# Altium PCB roach2.PcbDoc (part 27 of 39)
Units mil, origin at the board's own origin, x right, y up, seen from the top; angles counter-clockwise.
Board outline 12007.87 x 9606.3 mil, 16 copper layers (L1_TOP, L2_G, L3_S, L4_G, L5_S, L6_P, L7_G, L8_R, L9_R, L10_P, L11_P, L12_S, L13_P, L14_S, L15_G, L16_BOT), stack 81.651 mil thick; 1608 components, 1934 nets, 9335 pads, 6759 vias.
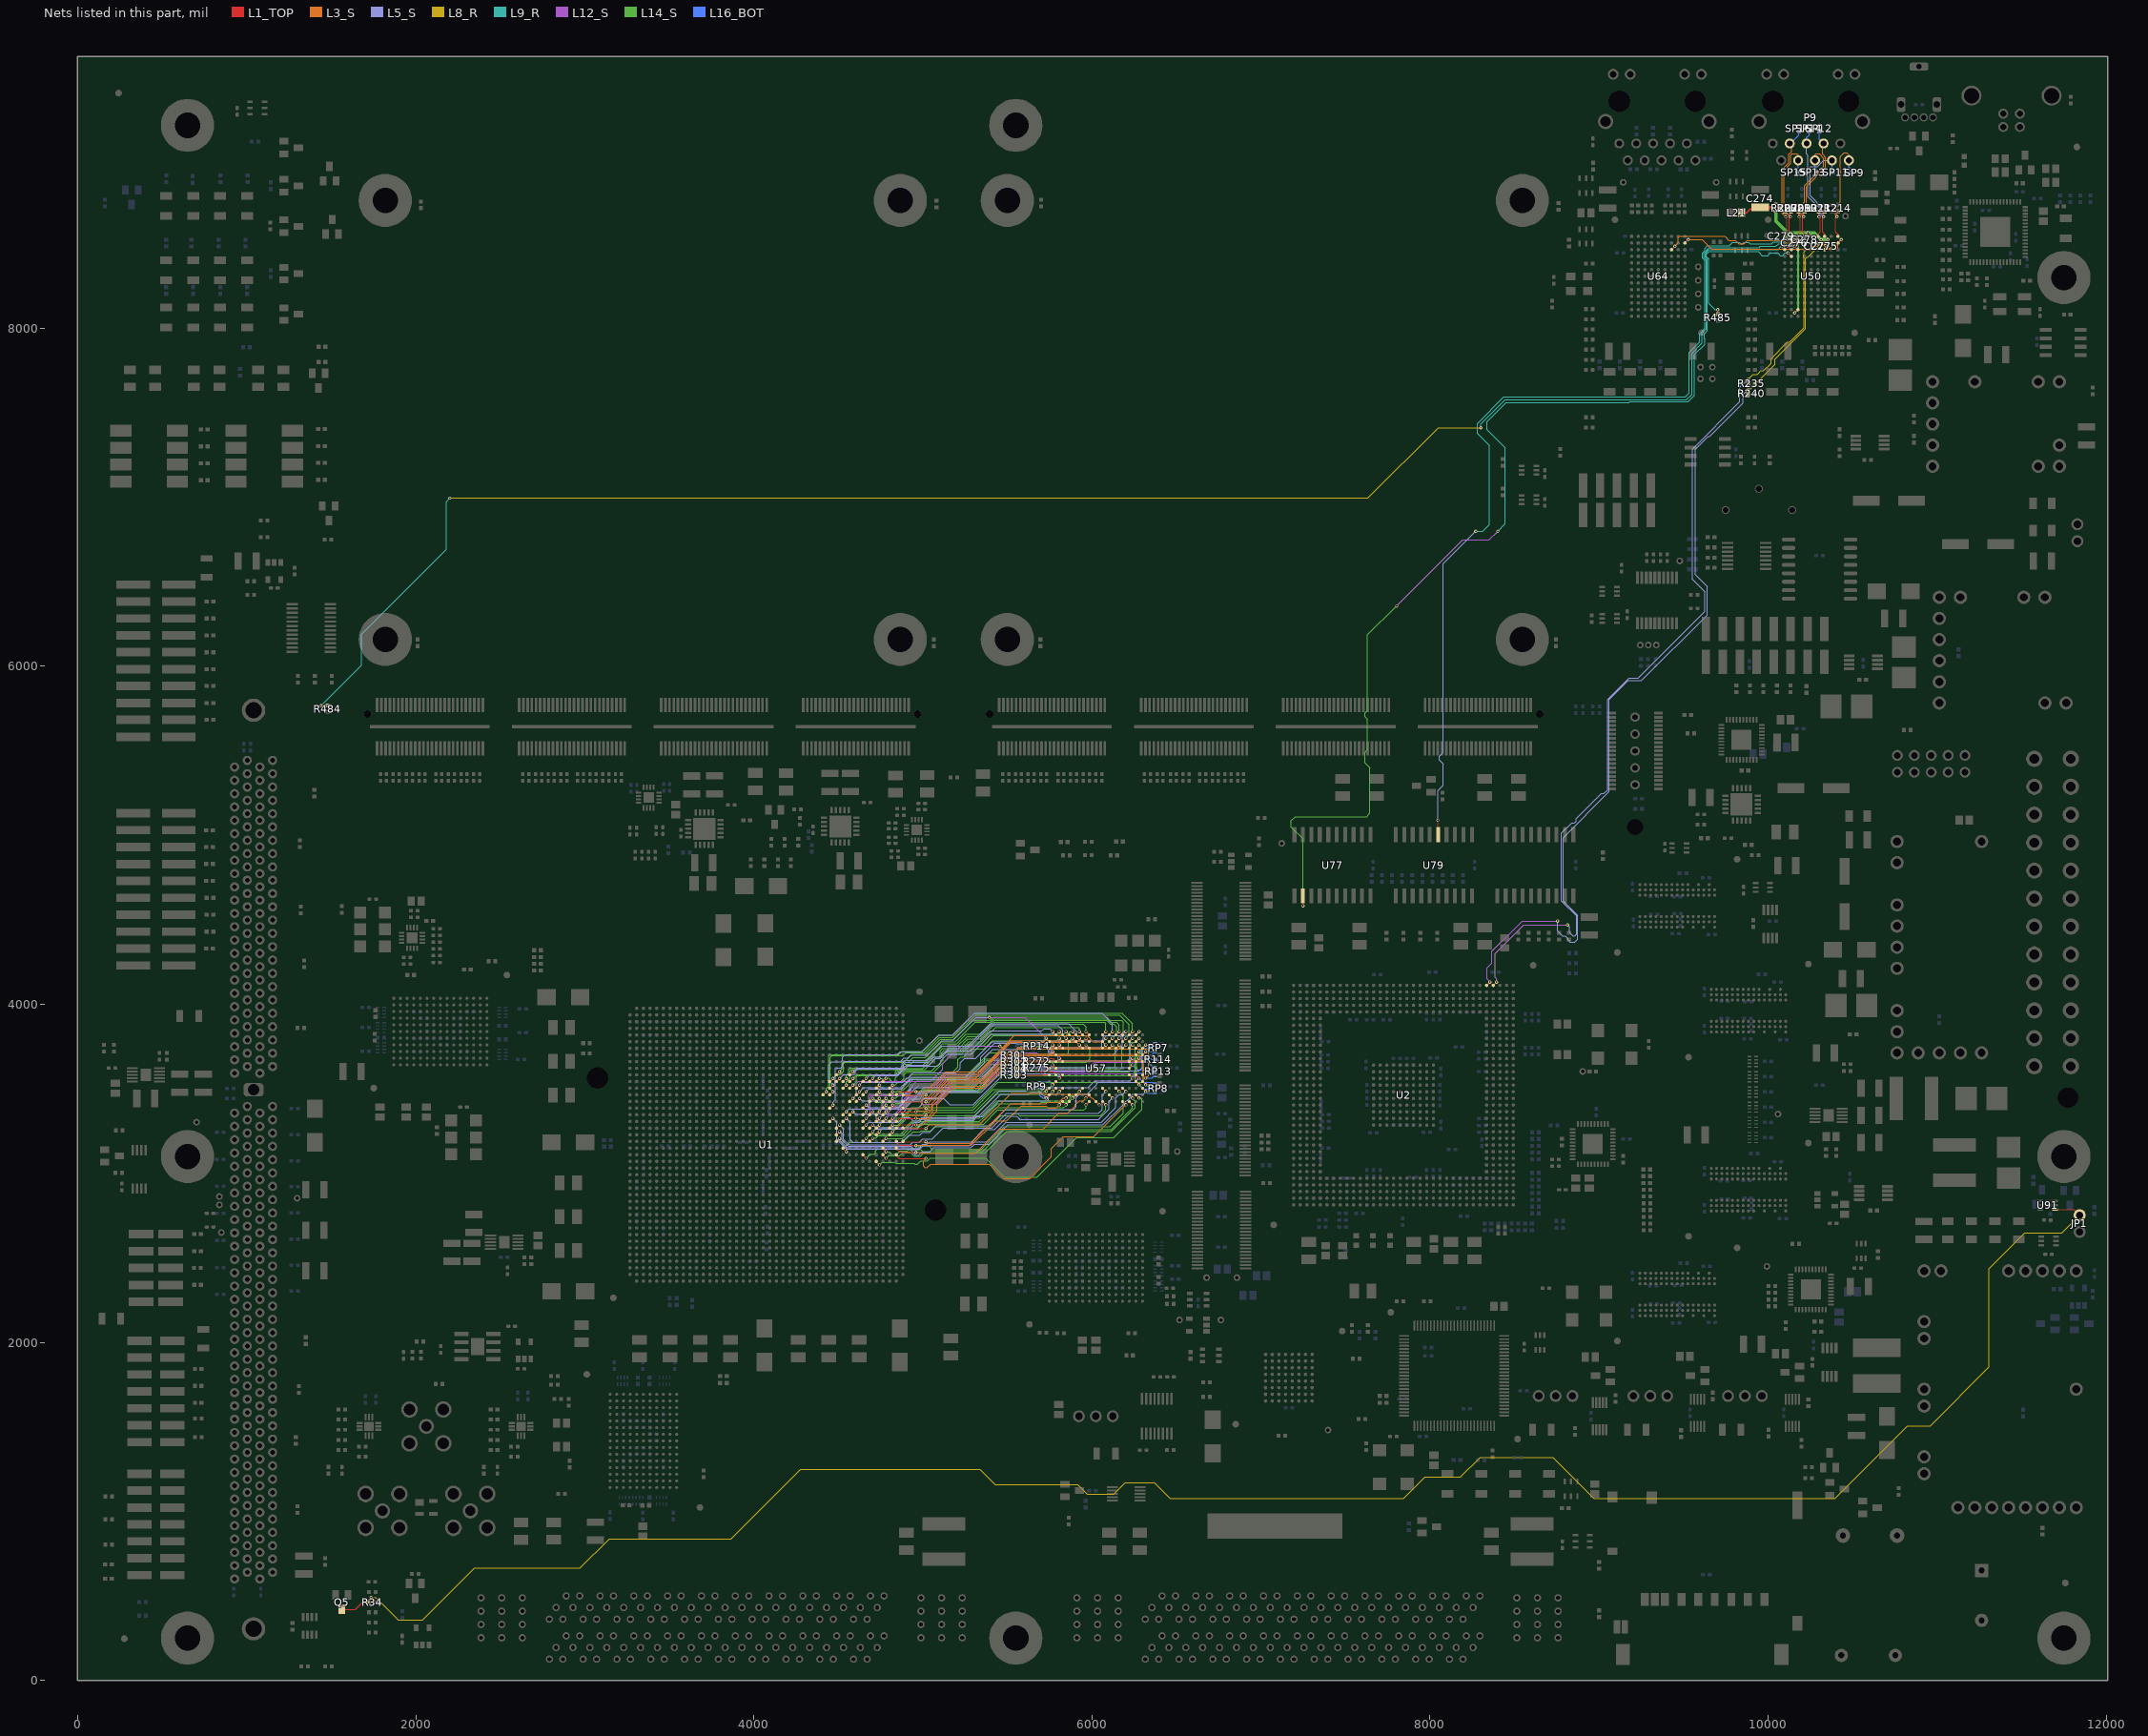
[diagram p41: the nets of this part, all layers, seen from the top]

## Via types
v1: diameter 19.4, hole 10, L1_TOP to L16_BOT, tented both sides, 3354 vias
v2: diameter 19.4, hole 10, L1_TOP to L16_BOT, 1884 vias
v3: diameter 19.4, hole 10, L1_TOP to L16_BOT, tented top, 410 vias
v4: diameter 18.6, hole 10, L1_TOP to L16_BOT, tented both sides, 311 vias
v5: diameter 59.06, hole 39.37, L1_TOP to L16_BOT, 217 vias
v6: diameter 19, hole 10, L1_TOP to L16_BOT, 198 vias
v7: diameter 19.4, hole 10.04, L1_TOP to L16_BOT, 125 vias
v8: diameter 19.4, hole 10, L1_TOP to L16_BOT, tented bottom, 80 vias
v9: diameter 25.98, hole 12.99, L1_TOP to L16_BOT, tented top, 59 vias
v10: diameter 20, hole 10, L1_TOP to L16_BOT, 52 vias
v11: diameter 59.06, hole 39.37, L1_TOP to L16_BOT, tented top, 44 vias
v12: diameter 20, hole 10, L1_TOP to L16_BOT, tented top, 16 vias
v13: diameter 19, hole 10, L1_TOP to L16_BOT, tented top, 5 vias
v14: diameter 50, hole 28, L1_TOP to L16_BOT, 4 vias

## Nets (pads, with @x,y where several pads share a name; then routed paths per layer and width w, separated by ;. In a path a pad name is that pad's centre, name@x,y a point inside that pad or via, vN(x,y) a via of type N, cw(c..) or ccw(c..) an arc to the next point about the centre after c; other vN are vias at no path point) (continued)
PPCMDI_0_P: P9.1 R214.2 SP9.2 U50.N1 | length 704.3
  L1_TOP w5: R214.2@10412.5,8687.31 10407.4,8682.2 v2(10407.4,8658.99) 10400.2,8651.79 10400.2,8570.18 10413.39,8556.99 U50.N1@10413.39,8543.31
  L3_S w3.8: v2(10407.4,8658.99) 10407.4,8659.31 10398.79,8667.92 10398.79,8706.79 10426.99,8734.99 10426.99,9014.99 10450.99,9038.99 10464.99,9038.99 10477.8,9026.19 P9.1@10477.8,8992.99
  L16_BOT w5: P9.1@10477.8,8992.99 10477.8,8954.19 10492.99,8938.99 SP9.2@10492.99,8919.99
PPCMDI_1_N: P9.6 R211.2 SP14.2 U50.N4 | length 707.6
  L1_TOP w5: U50.N4@10295.28,8543.31 10295.28,8556.99 10308.46,8570.18 10308.46,8612.99 ; R211.2@10297.99,8690.31 10297.76,8687.31 10301.26,8683.81 v2(10301.26,8658.99) 10308.46,8651.79 10308.46,8612.99 ; 10308.46,8615.79 10308.46,8612.99
  L5_S w3.8: P9.6@10227.8,9092.99 10226.99,9092.19 10226.99,9030.99 10236.5,9021.48 10236.5,8779.55 10309.06,8706.99 10309.06,8666.79 v2(10301.26,8658.99)
  L16_BOT w5: P9.6@10227.8,9092.99 10227.8,9127.8 10242.99,9142.99 SP14.2@10242.99,9162.99
PPCMDI_1_P: P9.3 R212.2 SP11.2 U50.N3 | length 702.7
  L1_TOP w5: R212.2@10333.99,8690.31 10333.76,8687.31 10328.66,8682.2 v2(10328.66,8658.99) 10321.46,8651.79 10321.46,8570.18 10334.65,8556.99 U50.N3@10334.65,8543.31
  L5_S w3.8: v2(10328.66,8658.99) 10320.86,8666.79 10320.86,8711.88 10248.3,8784.44 10248.3,8952.3 10253.56,8957.56 10292.47,8957.56 10327.9,8992.99 P9.3@10377.8,8992.99
  L16_BOT w5: P9.3@10377.8,8992.99 10377.8,8946.19 10382.99,8940.99 SP11.2@10382.99,8922.99
PPCMDI_2_N: P9.5 R209.2 SP13.2 U50.N7 | length 735.2
  L1_TOP w5: U50.N7@10177.17,8543.31 10177.17,8556.99 10190.35,8570.18 10190.35,8612.99 ; R209.2@10179.99,8690.31 10179.65,8687.31 10183.15,8683.81 v2(10183.15,8658.99) 10190.35,8651.79 10190.35,8612.99 ; 10190.35,8615.79 10190.35,8612.99
  L3_S w3.8: v2(10183.15,8658.99) 10189.19,8665.03 10189.19,8721.88 10215.19,8747.88 10215.19,8843.19 10328.99,8956.99 10328.99,9004.99 10302.99,9030.99 10282.99,9030.99 10277.8,9025.8 P9.5@10277.8,8992.99
  L16_BOT w5: P9.5@10277.8,8992.99 10277.8,8954.19 10282.99,8948.99 SP13.2@10282.99,8922.99
PPCMDI_2_P: P9.4 R210.2 SP12.2 U50.N6 | length 743.2
  L1_TOP w5: R210.2@10215.99,8690.31 10215.65,8687.31 10210.55,8682.2 v2(10210.55,8658.99) 10203.35,8651.79 10203.35,8570.18 10216.54,8556.99 U50.N6@10216.54,8543.31
  L3_S w3.8: v2(10210.55,8658.99) 10210.55,8659.31 10200.99,8668.87 10200.99,8716.99 10226.99,8742.99 10226.99,8838.3 10340.99,8952.3 10340.99,9010.99 10322.99,9028.99 10322.99,9088.19 P9.4@10327.8,9092.99
  L16_BOT w5: SP12.2@10302.99,9162.99 10302.99,9117.8 P9.4@10327.8,9092.99
PPCMDI_3_N: P9.8 R207.2 SP16.2 U50.N9 | length 732.5
  L1_TOP w5: U50.N9@10098.43,8543.31 10098.43,8556.99 10111.61,8570.18 10111.61,8612.99 ; R207.2@10099.99,8690.31 10100.91,8687.31 10104.41,8683.81 v2(10104.41,8658.99) 10111.61,8651.79 10111.61,8612.99 ; 10111.61,8615.79 10111.61,8612.99
  L3_S w3.8: v2(10104.41,8658.99) 10082.99,8680.41 10082.99,8939.68 10122.99,8979.68 10122.99,9029.68 10138.1,9044.79 10138.1,9082.68 P9.8@10127.8,9092.99 P9.8@10122.99,9088.19
  L16_BOT w5: P9.8@10127.8,9092.99 10132.99,9092.99 10182.99,9142.99 SP16.2@10182.99,9162.99
PPCMDI_3_P: P9.7 R208.2 SP15.2 U50.N8 | length 710
  L1_TOP w5: R208.2@10135.99,8690.31 10136.91,8687.31 10131.81,8682.2 v2(10131.81,8658.99) 10124.61,8651.79 10124.61,8570.18 10137.8,8556.99 U50.N8@10137.8,8543.31
  L3_S w3.8: v2(10131.81,8658.99) 10131.81,8659.31 10112.53,8678.59 10112.21,8678.59 10094.79,8696.01 10094.79,8934.79 10134.79,8974.79 10134.79,9024.79 10142.99,9032.99 10170.99,9032.99 10177.8,9026.19 P9.7@10177.8,8992.99
  L16_BOT w5: SP15.2@10172.99,8922.99 10172.99,8944.99 10177.8,8949.8 P9.7@10177.8,8992.99
PPCNET_AVDD: C274.2 C275.2 C276.2 C277.2 C278.2 C279.2 L21.2 U50.B7 U50.M3 U50.M4 U50.M7 U50.M8 U50.N5 | length 1472.8
  L1_TOP w5: v1(10118.11,8523.62) U50.M8@10137.8,8503.94 ; v1(10157.48,8090.55) U50.B7@10177.17,8110.24 ; v1(10157.48,8523.62) U50.M7@10177.17,8503.94 ; v1(10236.22,8562.99) U50.N5@10255.91,8543.31 ; U50.M4@10295.28,8503.94 v1(10314.96,8523.62) ; U50.M3@10334.65,8503.94 v1(10354.33,8523.62)
  L1_TOP w10: L21.2@9842.52,8682.99 9872.99,8682.99 9894.84,8704.84 C274.2@9952.99,8704.84
  L1_TOP w20: C274.2@9952.99,8714.84 10046.14,8714.84 v5(10046.99,8713.99)
  L14_S w10: v1(10157.48,8090.55) 10176.99,8110.06 10176.99,8504.11 v1(10157.48,8523.62)
  L14_S w20: v5(10046.99,8713.99) 10046.99,8632.99 10118.11,8561.87 v1(10118.11,8523.62) v1(10157.48,8523.62) ; 10120.08,8562.99 v1(10236.22,8562.99) 10275.59,8562.99 v1(10314.96,8523.62) v1(10354.33,8523.62)
  L16_BOT w10: C279.2@10098.43,8544.29 10098.43,8542.56 v1@10117.74,8523.25 ; C276.2@10137.8,8503.94 v1@10156.85,8522.99 ; C278.2@10216.54,8543.31 v1@10232.99,8559.76 ; C277.2@10295.28,8503.94 v1@10314.33,8522.99 ; C275.2@10334.65,8503.94 10334.65,8504.65 v1@10352.99,8522.99
PPCNET_MDC: R235.2 U2.AL34 U50.L3 U64.L3 | length 6870.1
  L1_TOP w5: U2.AL34@8374.49,4112.6 v1(8394.17,4132.28) ; U64.L3@9429.13,8464.57 v1(9448.82,8484.25) ; R235.2@9883.31,7672.99 v2(9883.31,7699.57) ; U50.L3@10334.65,8464.57 v1(10354.33,8484.25)
  L3_S w3.94: v1(9448.82,8484.25) 9468.5,8503.94 9468.5,8535.43 9476.38,8543.31 9744.09,8543.31 9767.72,8519.68 9807.09,8519.68 9827.57,8499.2 9857.33,8499.2 9877.06,8518.93 10091.31,8518.93 10106.3,8503.94 10240.16,8503.94 10259.84,8484.25 10292.8,8484.25 10308.47,8499.92 10321.45,8499.92 10337.12,8484.25 v1(10354.33,8484.25)
  L5_S w3.8: v3(8812.99,4468.99) 8824.99,4456.99 8824.99,4424.99 8844.99,4404.99 8855.05,4404.99 8866.59,4416.53 8866.59,4522.05 8778.39,4610.25 8778.39,5012.39 8838.82,5072.82 8854.45,5072.82 8863.59,5081.96 8863.59,5097.59 9012.99,5246.99 9029.38,5246.99 9049.92,5267.53 9049.92,5802.95 9177.96,5930.99 9230.99,5930.99 9624.99,6324.99 9624.99,6440.99 9553.15,6512.83 9553.15,7285.15 9832.99,7564.99 9832.99,7649.26 v2(9883.31,7699.57)
  L8_R w3.8: v2(9883.31,7699.57) 9910.72,7726.99 9936.99,7726.99 9948.34,7738.34 9948.34,7738.75 9957.47,7747.88 9973.88,7747.88 10016.99,7790.99 10016.99,7820.99 10113.56,7917.56 10127.67,7917.56 10212.45,8002.35 10212.45,8413.53 10208.99,8416.99 10208.99,8431.5 10212.45,8434.96 10212.45,8450.45 10224.99,8462.99 10248.99,8462.99 10293.65,8507.65 10330.93,8507.65 v1(10354.33,8484.25)
  L12_S w3.8: v1(8394.17,4132.28) 8394.17,4149.81 8384.99,4158.99 8384.99,4298.99 8554.99,4468.99 v3(8812.99,4468.99)
PPCNET_MDIO: R240.2 U2.AK34 U50.M1 U64.M1 | length 7025.4
  L1_TOP w5: U2.AK34@8335.12,4112.6 v1(8354.8,4132.28) ; U64.M1@9507.87,8503.94 v1(9527.56,8523.62) ; R240.2@9883.31,7612.99 v2(9883.31,7639.57) ; U50.M1@10413.39,8503.94 v1(10433.07,8523.62)
  L3_S w5: v1(9527.56,8523.62) 9610.24,8523.62 9665.35,8468.5 10071.58,8468.5 10072.03,8468.05 10405.06,8468.05 10413.39,8476.38 10413.39,8503.94 v1(10433.07,8523.62)
  L5_S w3.8: v3(8754.99,4492.99) 8754.99,4432.99 8782.99,4404.99 8800.99,4404.99 8814.99,4390.99 8814.99,4381.05 8828.02,4368.02 8857.45,4368.02 8874.39,4384.96 8874.39,4525.28 8788.39,4611.28 8788.39,4986.39 9060.39,5258.39 9060.39,5802.39 9172.99,5914.99 9250.99,5914.99 9638.99,6302.99 9638.99,6470.99 9568.9,6541.09 9568.9,7282.9 9644.99,7358.99 9654.99,7358.99 9852.99,7556.99 9852.99,7609.26 v2(9883.31,7639.57)
  L8_R w3.8: v2(9883.31,7639.57) 9893.29,7639.57 10040.81,7787.1 10040.81,7818.28 10220.62,7998.09 10220.62,8411.97 10229.76,8421.11 10234.51,8421.11 10299.36,8485.96 10299.36,8490.71 10308.5,8499.85 10321.42,8499.85 10338.73,8482.54 10338.73,8477.79 10347.87,8468.65 10360.79,8468.65 10378.1,8485.96 10378.1,8490.71 10387.24,8499.85 10409.3,8499.85 v1(10433.07,8523.62)
  L12_S w3.8: v1(8354.8,4132.28) 8336.99,4150.1 8336.99,4214.99 8366.99,4244.99 8366.99,4314.99 8544.99,4492.99 v3(8754.99,4492.99)
PPCNET_TCK: U50.L9 U77.12 | length 6565.4
  L1_TOP w5: v2(7247.99,4583.31) U77.12@7247.99,4641.89 ; v1(10078.74,8484.25) U50.L9@10098.43,8464.57
  L9_R w3.8: v2(8400.99,6798.99) 8444.99,6842.99 8444.99,7290.99 8336.99,7398.99 8336.99,7448.3 8450.08,7561.39 9177.33,7561.39 9180.53,7564.59 9527.28,7564.59 9564.99,7602.3 9564.99,7844.3 9626.02,7905.33 9626.02,7935.86 9623.56,7938.32 9623.56,7967.67 9641.59,7985.69 9641.59,8408.03 9628.33,8421.3 9628.33,8440.68 9641.59,8453.95 9641.59,8456.59 9649.99,8464.99 10059.48,8464.99 v1(10078.74,8484.25)
  L12_S w3.8: v2(7802.99,6356.99) 8193.69,6747.69 8349.69,6747.69 v2(8400.99,6798.99)
  L14_S w3.8: v2(7247.99,4583.31) 7247.99,4979.99 7178.99,5048.99 7178.99,5086.99 7202.99,5110.99 7627.05,5110.99 7636.59,5120.53 7636.59,5124.59 7642.99,5130.99 7642.99,5400.99 7614.99,5428.99 7614.99,5490.99 7630.99,5506.99 7630.99,5685.93 7615.68,5701.24 7615.68,5723.3 7630.99,5738.62 7630.99,6186.99 7800.99,6356.99 v2(7802.99,6356.99)
PPCNET_TDI: R484.2 U50.L7 | length 10695.8
  L1_TOP w5: v2(1439.3,5767.08) 1439.9,5767.68 R484.2@1477.99,5767.68 ; v1(10157.48,8484.25) U50.L7@10177.17,8464.57
  L8_R w3.8: v2(2200.99,6994.99) 7632.99,6994.99 8048.99,7410.99 v2(8300.99,7410.99)
  L9_R w3.8: v2(1439.3,5767.08) 1680,6007.78 1680,6190 2180.99,6690.99 2180.99,6946.99 ; 2180.99,6948.99 2180.99,6946.99 ; v2(2200.99,6994.99) 2180.99,6974.99 2180.99,6946.99 ; v2(8300.99,7410.99) 8300.99,7434.65 8443.54,7577.19 9517.54,7577.19 9549.19,7608.85 9549.19,7850.85 9610.22,7911.88 9610.22,7972.44 9633.79,7996.01 9633.79,8404.8 9620.53,8418.07 9620.53,8443.92 9633.79,8457.18 9633.79,8459.82 9650.96,8476.99 9797.65,8476.99 9799.13,8475.52 9812.05,8475.52 9813.53,8476.99 9872.46,8476.99 9873.93,8475.52 9886.86,8475.52 9888.33,8476.99 9946.99,8476.99 9954.25,8484.25 10047.54,8484.25 10063.14,8499.85 10088.15,8499.85 10098,8490 10098,8477 10107,8468 10141.23,8468 v1(10157.48,8484.25)
PPCNET_TDO: R485.1 U50.K8 | length 938.4
  L1_TOP w5: R485.1@9702.99,8082.68 v2(9702.99,8109.26) ; v1(10118.11,8444.88) U50.K8@10137.8,8425.2
  L9_R w3.8: v2(9702.99,8109.26) 9686.72,8109.26 9649.39,8146.59 9649.39,8411.26 9636.13,8424.53 9636.13,8437.45 9649.39,8450.72 9649.39,8452.39 9649.99,8452.99 9940.99,8452.99 9964.7,8429.28 9997.28,8429.28 10012.88,8444.88 10056.68,8444.88 10072.28,8429.28 10085.2,8429.28 10100.8,8444.88 v1(10118.11,8444.88)
PPCNET_TMS: U50.L8 U79.5 | length 5423.4
  L1_TOP w5: U79.5@8047.99,5004.09 v2(8047.99,5088.42) ; v1(10118.11,8484.25) U50.L8@10137.8,8464.57
  L5_S w3.8: v2(8047.99,5088.42) 8047.99,5263.99 8078.99,5294.99 8078.99,5422.93 8055.68,5446.24 8055.68,5468.3 8078.99,5491.62 8078.99,6606.99 v2(8270.99,6798.99)
  L9_R w3.8: v2(8270.99,6798.99) 8312.99,6798.99 8350.99,6836.99 8350.99,7306.99 8280.99,7376.99 8280.99,7436.99 8436.99,7592.99 9510.99,7592.99 9533.39,7615.39 9533.39,7857.39 9594.42,7918.42 9594.42,7967.67 9625.99,7999.24 9625.99,8401.57 9612.73,8414.84 9612.73,8447.15 9625.99,8460.41 9625.99,8471.99 9640.99,8486.99 9768.99,8486.99 9788.72,8506.72 9829.08,8506.72 9836.53,8499.27 9849.45,8499.27 9856.91,8506.72 9886.86,8506.72 9893.72,8499.85 10019.85,8499.85 10032,8512 10090.36,8512 v1(10118.11,8484.25)
PS_ENABLEN: JP1.1 Q5.3 R34.1 U91.1 | length 12265.7
  L1_TOP w5: Q5.3@1562.99,419.68 1641.68,419.68 1684.99,462.99 R34.1@1723.31,462.99 1723.31,477.31 v2(1736.99,490.99) ; U91.1@11697.31,2786 11809.98,2786 JP1.1@11842.99,2752.99
  L8_R w3.8: v2(1736.99,490.99) 1762.99,490.99 1896.99,356.99 2040.99,356.99 2349,665 2971,665 3144.59,838.59 3381.8,838.59 3382.53,837.86 3865.86,837.86 4276.59,1248.59 5336.71,1248.59 5426.31,1158.99 5916.31,1158.99 5972.31,1102.99 6128.99,1102.99 6196.99,1170.99 6368.99,1170.99 6462.99,1076.99 7844.99,1076.99 7970.99,1202.99 8180.99,1202.99 8296.89,1318.89 8727.09,1318.89 8968.99,1076.99 10394.99,1076.99 10824.99,1506.99 10958.99,1506.99 11306.99,1854.99 11306.99,2436.99 11518,2648 11738,2648 JP1.1@11842.99,2752.99
QDR0.A0: RP9.1 U1.E19 U57.B4 | length 1272.3
  L1_TOP w5: U1.E19@4723.51,3266.18 4724.73,3267.4 v1(4743.2,3285.87) ; v1(5767.72,3523.62) U57.B4@5787.4,3543.31
  L14_S w3.8: v1(4743.2,3285.87) 4766.97,3309.64 4866,3309.64 4937.31,3380.95 4965.45,3380.95 4977.71,3368.69 5025.25,3368.69 5033.05,3376.49 5297.75,3376.49 5417.32,3496.06 5718.1,3496.06 5721.88,3499.85 5722.63,3500.6 5736.46,3500.6 5737.21,3499.85 5743.95,3499.85 v1(5767.72,3523.62)
  L16_BOT w5: RP9.1@5692.68,3542.52 5748.82,3542.52 v1(5767.72,3523.62)
QDR0.A1: RP14.3 U1.J15 U57.B8 | length 1544.3
  L1_TOP w5: U1.J15@4566.03,3423.66 4567.25,3424.88 v1(4585.72,3443.35) ; v1(5768.03,3720.47) U57.B8@5787.72,3700.79
  L8_R w3.8: v2(5456,3752) 5514,3694 5741.56,3694 v1(5768.03,3720.47)
  L12_S w3.8: v1(4585.72,3443.35) 4608,3465.63 4608,3531.86 4622,3545.86 5047.86,3545.86 5116,3614 5116,3648 5220,3752 v2(5456,3752)
  L16_BOT w5: RP14.3@5692.68,3743.15 5745.35,3743.15 v1(5768.03,3720.47)
QDR0.A2: R275.1 U1.J17 U57.C5 | length 1587.6
  L1_TOP w5: U1.J17@4566.03,3344.92 4567.25,3346.14 v1(4585.72,3364.61) ; v1(5807.09,3562.99) U57.C5@5826.77,3582.68
  L5_S w3.8: v1(4585.72,3364.61) 4601.32,3349.01 4870.15,3349.01 4906.13,3384.99 4969.49,3384.99 4992.06,3407.56 4992.06,3429.56 5004.99,3442.49 5123.39,3442.49 5158.32,3407.56 5297.33,3407.56 5480.31,3590.55 5799.21,3590.55 5807.09,3582.68 v1(5807.09,3562.99)
  L16_BOT w5: R275.1@5692.68,3622.99 5725.12,3590.55 5779.53,3590.55 v1(5807.09,3562.99)
QDR0.A3: R272.1 U1.G18 U57.C7 | length 1588.8
  L1_TOP w5: U1.G18@4644.77,3305.55 v1(4664.46,3325.24) ; v1(5807.09,3681.1) U57.C7@5826.77,3661.42
  L12_S w3.8: v1(4664.46,3325.24) 4688.23,3349.01 4688.23,3449.81 4696.73,3458.31 4696.73,3458.95 4895.68,3458.95 4930.97,3494.24 4930.97,3505.78 4944.88,3519.68 5066.93,3519.68 5133.86,3586.61 5350.39,3586.61 5497.78,3734 5552.06,3734 5562.16,3744.09 5726.79,3744.09 5752.12,3718.77 5752.12,3714.01 5765.34,3700.79 5787.4,3700.79 v1(5807.09,3681.1)
  L16_BOT w5: R272.1@5692.68,3662.99 5788.97,3662.99 v1(5807.09,3681.1)
QDR0.A4: RP13.2 U1.G19 U57.N5 | length 1911.2
  L1_TOP w5: U1.G19@4644.77,3266.18 4645.99,3267.4 v1(4664.46,3285.87) ; U57.N5@6220.47,3582.68 v1(6240.16,3562.99)
  L5_S w3.8: v1(4664.46,3285.87) 4680.43,3301.84 4856.07,3301.84 4883.22,3328.99 4923.49,3328.99 4942.11,3310.38 4974.59,3310.38 4993.54,3329.32 5293.89,3329.32 5452.76,3488.19 5614.17,3488.19 5633.86,3507.87 5811,3507.87 ; 5814.96,3507.87 5811,3507.87 ; v1(6240.16,3562.99) 6224.41,3547.24 6015.75,3547.24 5976.38,3507.87 5811,3507.87
  L16_BOT w5: v1(6240.16,3562.99) 6270.32,3593.15 RP13.2@6373.31,3593.15
QDR0.A5: RP13.3 U1.G16 U57.N6 | length 1888.2
  L1_TOP w5: U1.G16@4644.77,3384.29 4645.99,3385.51 v1(4664.46,3403.98) ; U57.N6@6220.47,3622.05 v1(6240.16,3641.73)
  L5_S w3.8: v1(4664.46,3403.98) 4680.06,3388.38 4856.38,3388.38 4919.99,3451.99 4951.07,3451.99 4987.04,3487.97 5039.15,3487.97 ; 5039.37,3488.19 5039.15,3487.97 ; v1(6240.16,3641.73) 6224.41,3625.98 5456.69,3625.98 5318.67,3487.97 5039.15,3487.97
  L16_BOT w5: v1(6240.16,3641.73) 6269.06,3612.83 RP13.3@6373.31,3612.83
QDR0.A6: RP13.4 U1.E18 U57.N7 | length 1870.1
  L1_TOP w5: U1.E18@4723.51,3305.55 4724.73,3306.77 v1(4743.2,3325.24) ; U57.N7@6220.47,3661.42 v1(6240.16,3681.1)
  L12_S w3.8: v1(4743.2,3325.24) 4766.97,3349.01 4789.03,3349.01 4798.17,3358.14 4798.17,3362.9 4815.85,3380.58 4831.63,3380.58 4840.97,3389.91 4859.73,3389.91 4918.64,3448.82 4922.32,3452.49 4999.99,3452.49 5005.05,3447.43 5069.48,3447.43 5157.48,3535.43 5358.27,3535.43 5448.82,3625.98 5696.85,3625.98 5708.66,3614.17 5972.44,3614.17 6023.62,3665.35 6224.41,3665.35 v1(6240.16,3681.1)
  L16_BOT w5: v1(6240.16,3681.1) 6259.84,3661.42 6328.57,3661.42 6357.46,3632.52 RP13.4@6373.31,3632.52
QDR0.A7: RP8.2 U1.F17 U57.P4 | length 1964.9
  L1_TOP w5: U1.F17@4684.14,3344.92 4685.36,3346.14 v1(4703.83,3364.61) ; U57.P4@6259.84,3543.31 v1(6279.53,3523.62)
  L12_S w3.8: v1(4703.83,3364.61) 4723.99,3344.44 4723.99,3322.38 4736.74,3309.64 4828.4,3309.64 4837.54,3318.77 4837.54,3341.47 4846.61,3350.54 4925.2,3429.13 4978.85,3429.13 4999.92,3408.06 5073.41,3408.06 5074.8,3409.45 5169.29,3503.94 5358.27,3503.94 5444.88,3590.55 6240.16,3590.55 6259.84,3570.87 6259.84,3543.31 v1(6279.53,3523.62) ; v1@4704.73,3366.14 v1@4705.05,3365.82
  L16_BOT w5: v1(6279.53,3523.62) 6302.7,3500.45 6357.82,3500.45 6365.12,3493.15 RP8.2@6373.31,3493.15
QDR0.A8: RP8.4 U1.K18 U57.P5 | length 2207.4
  L1_TOP w5: U1.K18@4526.66,3305.55 4527.88,3306.77 v1(4546.35,3325.24) ; U57.P5@6259.84,3582.68 v1(6279.53,3562.99)
  L5_S w3.8: v1@4547.24,3326.77 4547.24,3325.24 4570.12,3302.36 4570.12,3200.66 4587.06,3183.73 4875.76,3183.73 4916.52,3224.49 4954.49,3224.49 4954.89,3224.89 4982.39,3224.89 4999.91,3242.41 5025.25,3242.41 5025.47,3242.19 5039.72,3242.19 5080.05,3282.52 5392.76,3282.52 5488.19,3377.95 5889.76,3377.95 5905.51,3393.7 5905.51,3448.82 5925.2,3468.5 5972.44,3468.5 6027.71,3523.77 6027.71,3530.08 6037,3539.37 6255.91,3539.37 v1(6279.53,3562.99)
  L16_BOT w5: v1(6279.53,3562.99) 6302.7,3539.82 6357.82,3539.82 6365.12,3532.52 RP8.4@6373.31,3532.52
QDR0.A9: RP7.1 U1.C18 U57.P7 | length 1887.8
  L1_TOP w5: U1.C18@4802.25,3305.55 4803.47,3306.77 v1(4821.94,3325.24) ; U57.P7@6259.84,3661.42 v1(6279.53,3681.1)
  L14_S w3.8: v1@4822.84,3326.77 4872.11,3326.77 4934.08,3388.75 5000.54,3388.75 5013.22,3401.43 5026.15,3401.43 5037.81,3389.76 5295.28,3389.76 5444.88,3539.37 6295.28,3539.37 6303.15,3547.24 6303.15,3657.48 v1(6279.53,3681.1)
  L16_BOT w5: v1(6279.53,3681.1) 6299.21,3700.79 6354.33,3700.79 6367.01,3713.46 RP7.1@6373.31,3713.46
QDR0.A10: RP7.3 U1.A17 U57.P8 | length 1708.3
  L1_TOP w5: U1.A17@4880.99,3344.92 4881.89,3344.92 v2(5018.79,3344.92) ; U57.P8@6259.84,3700.79 v1(6279.53,3720.47)
  L3_S w3.8: v2@5019.68,3346.46 5051.18,3377.95 5051.18,3413.39 5173.23,3535.43 5358.27,3535.43 5527.56,3704.72 6263.78,3704.72 v1(6279.53,3720.47)
  L16_BOT w5: v1(6279.53,3720.47) 6299.21,3740.16 6354.33,3740.16 6367.01,3752.83 RP7.3@6373.31,3752.83
QDR0.A11: RP14.2 U1.G17 U57.A9 | length 1391.6
  L1_TOP w5: U1.G17@4644.77,3344.92 4645.99,3346.14 v1(4664.46,3364.61) ; v1(5728.35,3759.84) U57.A9@5748.03,3740.16
  L12_S w3.8: v1(4664.46,3364.61) 4680.43,3380.58 4680.43,3459.96 4687.59,3467.12 4892.82,3467.12 4923.17,3497.47 4923.17,3517.66 4937.01,3531.5 5062.99,3531.5 5133.86,3602.36 5342.52,3602.36 5515.75,3775.59 5712.6,3775.59 v1(5728.35,3759.84)
  L16_BOT w5: RP14.2@5692.68,3762.83 5725.36,3762.83 v1(5728.35,3759.84)
QDR0.A12: RP8.1 U1.M18 U57.R3 | length 2279.3
  L1_TOP w5: U1.M18@4447.92,3305.55 4449.14,3306.77 v1(4467.61,3325.24) ; U57.R3@6299.21,3503.94 v1(6318.9,3484.25)
  L5_S w3.8: v1(4467.61,3325.24) 4491.38,3301.47 4491.38,3199.58 4546.23,3144.73 4921.9,3144.73 4944.13,3122.49 4944.13,3117.99 4953.27,3108.85 4974.85,3108.85 4993.49,3127.49 5039.99,3127.49 5063.99,3151.49 5282.99,3151.49 5304.73,3173.23 5389.76,3173.23 5503.94,3287.4 6065.37,3287.4 6185.19,3407.22 6185.19,3411.97 6202.5,3429.28 6207.25,3429.28 6224.56,3446.59 6224.56,3451.34 6241.72,3468.5 6303.15,3468.5 v1(6318.9,3484.25) ; v1@4468.5,3326.77 v1@4468.82,3326.45
  L16_BOT w5: v1(6318.9,3484.25) 6329.68,3473.46 RP8.1@6373.31,3473.46
QDR0.A13: RP8.3 U1.B19 U57.R4 | length 1872
  L1_TOP w5: U1.B19@4841.62,3266.18 4842.84,3267.4 4862.05,3286.61 v2(4958.99,3286.61) ; U57.R4@6299.21,3543.31 v1(6318.9,3523.62)
  L3_S w3.8: v2@4959.89,3288.14 5000.74,3288.14 5082.68,3370.08 5082.68,3405.51 5181.1,3503.94 5362.2,3503.94 5523.77,3665.5 6287.25,3665.5 6303.15,3649.61 6303.15,3539.37 v1(6318.9,3523.62)
  L16_BOT w5: v1(6318.9,3523.62) 6329.68,3512.83 RP8.3@6373.31,3512.83
QDR0.A14: RP13.1 U1.B17 U57.R5 | length 1939.8
  L1_TOP w5: U1.B17@4841.62,3344.92 4842.84,3346.14 4862.05,3365.35 v2(4958.99,3365.35) ; U57.R5@6299.21,3582.68 v1(6318.9,3562.99)